# Altium PCB F407.PcbDoc (part 1 of 3) (continued)
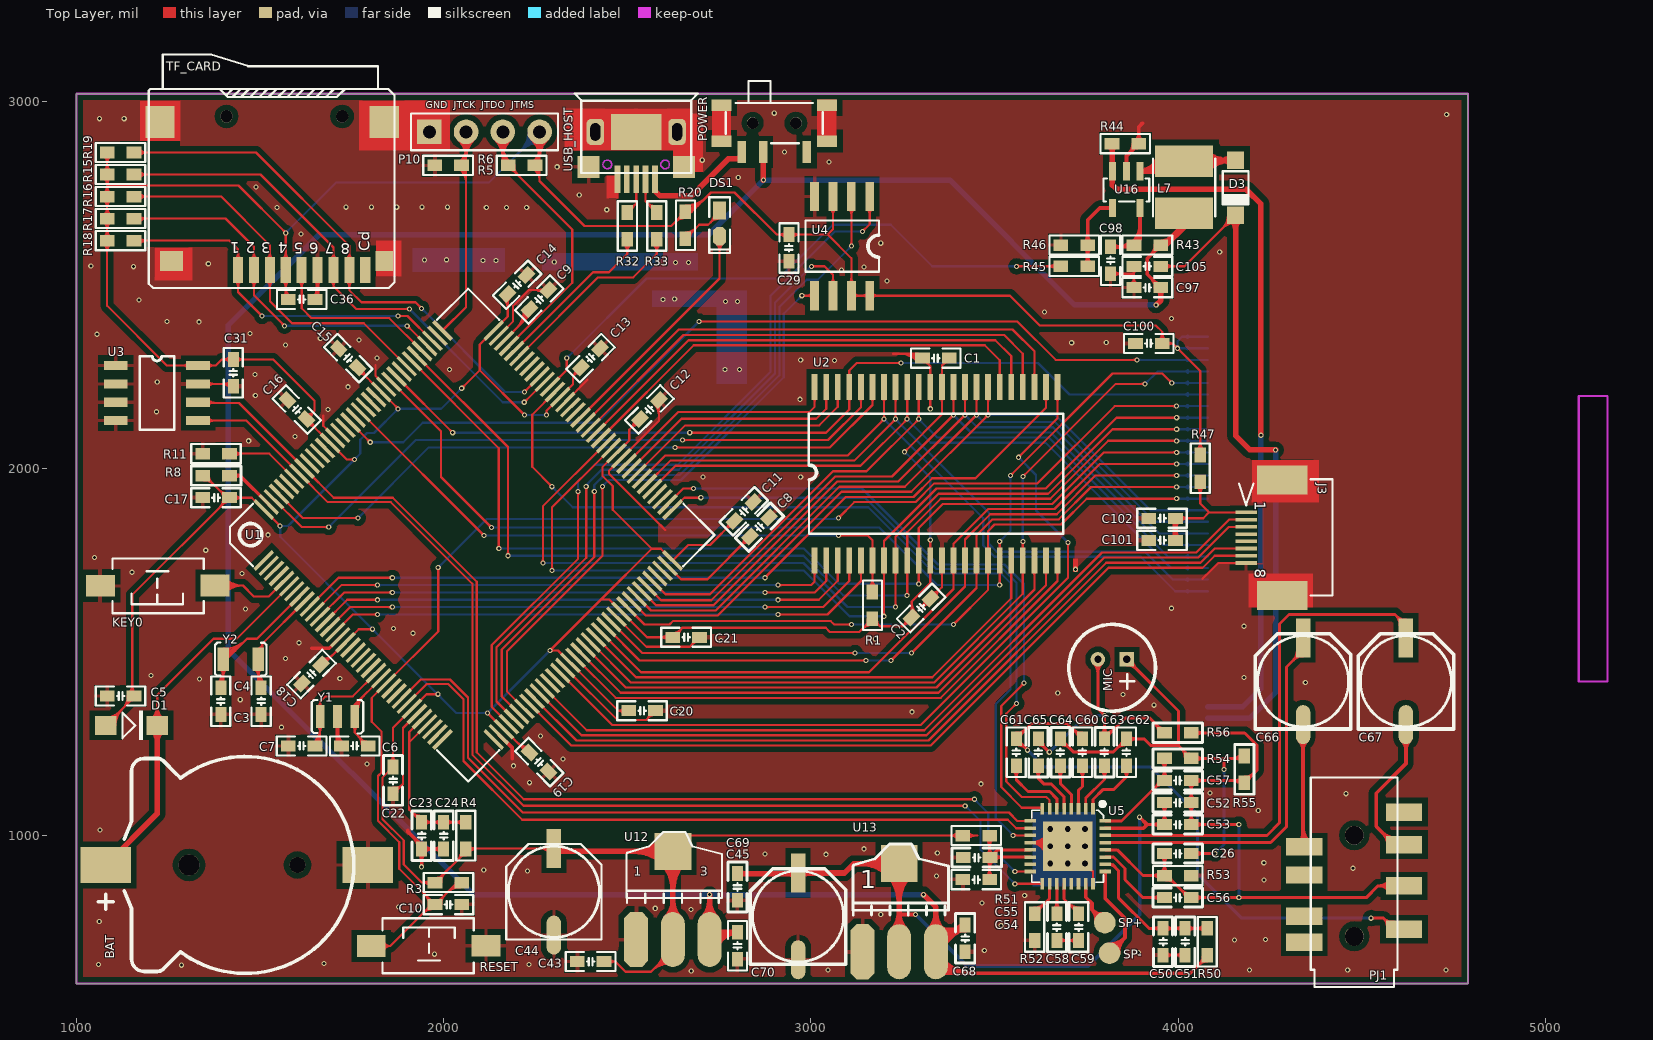
[diagram p0: Top Layer view]
## Nets (pads, with @x,y where several pads share a name; then routed paths per layer and width w, separated by ;. In a path a pad name is that pad's centre, name@x,y a point inside that pad or via, vN(x,y) a via of type N, cw(c..) or ccw(c..) an arc to the next point about the centre after c; other vN are vias at no path point) (continued)
  Bottom Layer w8: v1@4162.88,833.12 ccw(c4157.76,838.24) 4165,838.24 ccw(c4172.24,838.24) v1@4167.12,833.12 ; v1@4162.88,1027.88 cw(c4157.76,1022.76) 4165,1022.76 cw(c4172.24,1022.76) v1@4167.12,1027.88 ; v1(4165,831) v1(4165,1030)
EJ_L: C66.2 PJ1.2 | length 485.5
  Top Layer w10: C66.2@4329.62,1258.04 cw(c4304.55,1232.97) 4340,1232.97 cw(c4375.45,1232.97) C66.2@4350.38,1258.04 ; PJ1.2@4330.18,982.58 ccw(c4306.48,1006.28) 4340,1006.28 ; 4340,998.31 ccw(c4372.25,998.31) PJ1.2@4349.45,975.51 ; 4340,1022.46 ccw(c4396.4,1022.46) PJ1.2@4356.52,982.58 ; C66.2@4340,1301.89 4340,972.76 PJ1.2@4343.35,969.41
EJ_M: C60.2 C61.2 PJ1.1 | length 1896.3
  Top Layer w8: C61.2@3559,1247.5 cw(c3559,1208.87) v1@3586.31,1236.19 ; C61.2@3559,1255.5 cw(c3559,1236.19) C61.2@3572.66,1249.84 ; C61.2@3559,1271.5 ccw(c3559,1290.81) C61.2@3572.66,1277.16 ; C61.2@3559,1279.5 ccw(c3559,1318.13) 3586.31,1290.81 ; C61.2@3570,1258.5 ccw(c3584.49,1258.5) 3574.24,1248.26 ; C61.2@3570,1268.5 cw(c3584.49,1268.5) 3574.24,1278.74 ; v1@3587,1232.5 ccw(c3579.76,1232.5) 3584.88,1237.62 ccw(c3590,1242.74) v1@3590,1235.5 ; v1(3590,1232.5) C61.2@3559,1263.5 3600.5,1305 3697.5,1305 C60.2@3739,1263.5 ; 3711.69,1290.81 ccw(c3739,1318.13) C60.2@3739,1279.5 ; 3723.76,1278.74 cw(c3713.51,1268.5) C60.2@3728,1268.5 ; C60.2@3725.34,1277.16 ccw(c3739,1290.81) C60.2@3739,1271.5 ; v1(4525,775) 4559,775 4589,745 PJ1.1@4615,745 ; v1@4527.12,772.88 cw(c4532.24,767.76) 4532.24,775 cw(c4532.24,782.24) v1@4527.12,777.12 ; PJ1.1@4569.84,746.37 ccw(c4533.33,748.92) 4559.21,774.79 ccw(c4584.33,799.92) PJ1.1@4587.6,764.54 ; PJ1.1@4571.26,762.74 ccw(c4586.37,777.85) PJ1.1@4588.34,756.57 ; PJ1.1@4571.62,762.38 cw(c4556.54,747.3) PJ1.1@4577.82,745.81
  Bottom Layer w8: v1@3590,1229.5 cw(c3590,1222.26) 3595.12,1227.38 cw(c3600.24,1232.5) v1@3593,1232.5 ; v1(3590,1232.5) 3635.5,1187 3924,1187 4052,1059 4052,896 4173,775 v1(4525,775) ; v1@4522.88,772.88 ccw(c4517.76,767.76) 4517.76,775 ccw(c4517.76,782.24) v1@4522.88,777.12
EJ_R: C67.2 PJ1.3 | length 533.3
  Top Layer w10: 4556.39,1007.61 ccw(c4589.41,1040.63) PJ1.3@4589.41,993.93 ; 4558.13,1005.87 cw(c4527.57,975.31) PJ1.3@4570.79,975.31 ; C67.2@4609.62,1258.04 cw(c4584.55,1232.97) 4620,1232.97 cw(c4655.45,1232.97) C67.2@4630.38,1258.04 ; PJ1.3@4615,975.31 4588.69,975.31 4539,1025 4539,1115 4620,1196 C67.2@4620,1301.89
F_CS: U1.40 U4.1 | length 2153.4
  Top Layer w6: U1.40@2177.86,1303.35 2131,1350.21 2131,1519 2366,1754 v1(2366,1937) ; v1@2363.17,1934.17 cw(c2356.34,1927.34) 2366,1927.34 cw(c2375.66,1927.34) v1@2368.83,1934.17 ; v1(3140,2645) 3160,2665 U4.1@3160,2740 ; v1@3140,2649 ccw(c3140,2658.66) 3146.83,2651.83 ccw(c3153.66,2645) v1@3144,2645 ; U4.1@3153.64,2705.64 cw(c3138.27,2690.27) 3160,2690.27 cw(c3181.73,2690.27) U4.1@3166.36,2705.64
  Bottom Layer w6: v1@2363.17,1939.83 ccw(c2356.34,1946.66) 2366,1946.66 ccw(c2375.66,1946.66) v1@2368.83,1939.83 ; v1(2366,1937) 2366,1965 2411,2010 2637,2010 2890,2263 2890,2470 3065,2645 v1(3140,2645) ; v1@3137.17,2642.17 ccw(c3130.34,2635.34) 3130.34,2645 ccw(c3130.34,2654.66) v1@3137.17,2647.83
FSMC_A0: U1.10 U2.24 | length 2364.8
  Top Layer w6: U1.10@1635.01,1623.49 1713.52,1702 v1(1860,1702) ; v1@1857.17,1699.17 ccw(c1850.34,1692.34) 1850.34,1702 ccw(c1850.34,1711.66) v1@1857.17,1704.83 ; v1(2875,1702) 2875,1702.46 3094.54,1922 3279.01,1922 3330.01,1973 3448,1973 3639.9,2164.9 U2.24@3639.9,2221.09 ; v1@2875,1706 ccw(c2875,1714.56) 2881.05,1708.51 ; v1@2879,1702 cw(c2889.76,1702) 2882.15,1709.61 ; U2.24@3636.45,2190.08 cw(c3628.13,2181.76) 3639.9,2181.76 cw(c3651.66,2181.76) U2.24@3643.34,2190.08
  Bottom Layer w6: v1(1860,1702) v1(2875,1702) ; v1@1862.83,1699.17 cw(c1869.66,1692.34) 1869.66,1702 cw(c1869.66,1711.66) v1@1862.83,1704.83 ; v1@2872.17,1699.17 ccw(c2865.34,1692.34) 2865.34,1702 ccw(c2865.34,1711.66) v1@2872.17,1704.83
FSMC_A1: U1.11 U2.1 | length 1531
  Top Layer w6: U1.11@1648.93,1609.57 1721.35,1682 v1(1820,1682) ; v1@1817.17,1679.17 ccw(c1810.34,1672.34) 1810.34,1682 ccw(c1810.34,1691.66) v1@1817.17,1684.83 ; v1(2910,1682) 3000,1682 3009.98,1691.98 U2.1@3009.98,1748.65 ; v1@2912.83,1679.17 cw(c2919.66,1672.34) 2919.66,1682 cw(c2919.66,1691.66) v1@2912.83,1684.83 ; U2.1@3006.53,1717.64 cw(c2998.21,1709.32) 3009.98,1709.32 cw(c3021.74,1709.32) U2.1@3013.42,1717.64
  Bottom Layer w6: v1(1820,1682) v1(2910,1682) ; v1@1822.83,1679.17 cw(c1829.66,1672.34) 1829.66,1682 cw(c1829.66,1691.66) v1@1822.83,1684.83 ; v1@2907.17,1679.17 ccw(c2900.34,1672.34) 2900.34,1682 ccw(c2900.34,1691.66) v1@2907.17,1684.83
FSMC_A2: U1.12 U2.2 | length 1553.5
  Top Layer w6: U1.12@1662.85,1595.65 1729.19,1662 v1(1860,1662) ; v1@1857.17,1659.17 ccw(c1850.34,1652.34) 1850.34,1662 ccw(c1850.34,1671.66) v1@1857.17,1664.83 ; v1(2875,1662) 3010,1662 3041.47,1693.47 U2.2@3041.47,1748.65 ; v1@2877.83,1659.17 cw(c2884.66,1652.34) 2884.66,1662 cw(c2884.66,1671.66) v1@2877.83,1664.83 ; U2.2@3038.03,1717.64 cw(c3029.71,1709.32) 3041.47,1709.32 cw(c3053.24,1709.32) U2.2@3044.92,1717.64
  Bottom Layer w6: v1(1860,1662) v1(2875,1662) ; v1@1862.83,1659.17 cw(c1869.66,1652.34) 1869.66,1662 cw(c1869.66,1671.66) v1@1862.83,1664.83 ; v1@2872.17,1659.17 ccw(c2865.34,1652.34) 2865.34,1662 ccw(c2865.34,1671.66) v1@2872.17,1664.83
FSMC_A3: U1.13 U2.3 | length 1576.5
  Top Layer w6: U1.13@1676.77,1581.73 1737.03,1642 v1(1820,1642) ; v1@1817.17,1639.17 ccw(c1810.34,1632.34) 1810.34,1642 ccw(c1810.34,1651.66) v1@1817.17,1644.83 ; v1(2910,1642) 3021,1642 3072.97,1693.97 U2.3@3072.97,1748.65 ; v1@2912.83,1639.17 cw(c2919.66,1632.34) 2919.66,1642 cw(c2919.66,1651.66) v1@2912.83,1644.83 ; U2.3@3069.52,1717.64 cw(c3061.2,1709.32) 3072.97,1709.32 cw(c3084.73,1709.32) U2.3@3076.41,1717.64
  Bottom Layer w6: v1(1820,1642) v1(2910,1642) ; v1@1822.83,1639.17 cw(c1829.66,1632.34) 1829.66,1642 cw(c1829.66,1651.66) v1@1822.83,1644.83 ; v1@2907.17,1639.17 ccw(c2900.34,1632.34) 2900.34,1642 ccw(c2900.34,1651.66) v1@2907.17,1644.83
FSMC_A4: U1.14 U2.4 | length 1600.2
  Top Layer w6: U1.14@1690.69,1567.81 1744.87,1622 v1(1860,1622) ; v1@1857.17,1619.17 ccw(c1850.34,1612.34) 1850.34,1622 ccw(c1850.34,1631.66) v1@1857.17,1624.83 ; v1(2875,1622) 3033,1622 3104.46,1693.46 U2.4@3104.46,1748.65 ; v1@2877.83,1619.17 cw(c2884.66,1612.34) 2884.66,1622 cw(c2884.66,1631.66) v1@2877.83,1624.83 ; U2.4@3101.02,1717.64 cw(c3092.7,1709.32) 3104.46,1709.32 cw(c3116.23,1709.32) U2.4@3107.91,1717.64
  Bottom Layer w6: v1(1860,1622) v1(2875,1622) ; v1@1862.83,1619.17 cw(c1869.66,1612.34) 1869.66,1622 cw(c1869.66,1631.66) v1@1862.83,1624.83 ; v1@2872.17,1619.17 ccw(c2865.34,1612.34) 2865.34,1622 ccw(c2865.34,1631.66) v1@2872.17,1624.83
FSMC_A5: U1.15 U2.5 | length 1623.8
  Top Layer w6: U1.15@1704.6,1553.9 1752.71,1602 v1(1820,1602) ; v1@1817.17,1599.17 ccw(c1810.34,1592.34) 1810.34,1602 ccw(c1810.34,1611.66) v1@1817.17,1604.83 ; v1(2910,1602) 3045,1602 3135.96,1692.96 U2.5@3135.96,1748.65 ; v1@2912.83,1599.17 cw(c2919.66,1592.34) 2919.66,1602 cw(c2919.66,1611.66) v1@2912.83,1604.83 ; U2.5@3132.51,1717.64 cw(c3124.19,1709.32) 3135.96,1709.32 cw(c3147.73,1709.32) U2.5@3139.41,1717.64
  Bottom Layer w6: v1(1820,1602) v1(2910,1602) ; v1@1822.83,1599.17 cw(c1829.66,1592.34) 1829.66,1602 cw(c1829.66,1611.66) v1@1822.83,1604.83 ; v1@2907.17,1599.17 ccw(c2900.34,1592.34) 2900.34,1602 ccw(c2900.34,1611.66) v1@2907.17,1604.83
FSMC_A6: U1.50 U2.23 | length 2305.9
  Top Layer w6: U1.50@2317.06,1442.54 2458.6,1301 3299,1301 3700,1702 v1(3700,1798) ; v1(3565,2030) 3671.39,2136.39 U2.23@3671.39,2221.09 ; v1@3565,2034 ccw(c3565,2043.66) 3571.83,2036.83 ccw(c3578.66,2030) v1@3569,2030 ; U2.23@3667.95,2190.08 cw(c3659.63,2181.76) 3671.39,2181.76 cw(c3683.16,2181.76) U2.23@3674.84,2190.08 ; v1@3697.17,1795.17 cw(c3690.34,1788.34) 3700,1788.34 cw(c3709.66,1788.34) v1@3702.83,1795.17
  Bottom Layer w6: v1@3565,2026 cw(c3565,2016.34) 3571.83,2023.17 cw(c3578.66,2030) v1@3569,2030 ; v1(3565,2030) 3613,1982 3613,1885 v1(3700,1798) ; v1@3696,1798 ccw(c3686.34,1798) 3693.17,1804.83 ccw(c3700,1811.66) v1@3700,1802
FSMC_A7: U1.53 U2.22 | length 1563.6
  Top Layer w6: U1.53@2358.82,1484.3 2468.11,1375 3353.2,1375 3671.39,1693.19 U2.22@3671.39,1748.65 ; U2.22@3667.95,1717.64 cw(c3659.63,1709.32) 3671.39,1709.32 cw(c3683.16,1709.32) U2.22@3674.84,1717.64
FSMC_A8: U1.54 U2.21 | length 1519.2
  Top Layer w6: U1.54@2372.74,1498.22 2481.95,1389 3347.4,1389 3639.9,1681.5 U2.21@3639.9,1748.65 ; U2.21@3636.45,1717.64 cw(c3628.13,1709.32) 3639.9,1709.32 cw(c3651.66,1709.32) U2.21@3643.34,1717.64
FSMC_A9: U1.55 U2.20 | length 1474.8
  Top Layer w6: U1.55@2386.65,1512.14 2495.79,1403 3341.6,1403 3608.4,1669.8 U2.20@3608.4,1748.65 ; U2.20@3604.96,1717.64 cw(c3596.64,1709.32) 3608.4,1709.32 cw(c3620.17,1709.32) U2.20@3611.85,1717.64
FSMC_A10: TFT1.5 U1.56 U2.19 | length 2409.6
  Top Layer w6: U1.56@2400.57,1526.06 2509.63,1417 3335.8,1417 3576.91,1658.1 U2.19@3576.91,1748.65 v1(3576.91,1800.91) ; U2.19@3573.46,1717.64 cw(c3565.14,1709.32) 3576.91,1709.32 cw(c3588.67,1709.32) U2.19@3580.35,1717.64 ; U2.19@3573.46,1779.65 ccw(c3565.14,1787.97) 3576.91,1787.97 ccw(c3588.67,1787.97) U2.19@3580.35,1779.65 ; v1@3574.08,1798.08 cw(c3567.25,1791.25) 3576.91,1791.25 cw(c3586.56,1791.25) v1@3579.73,1798.08 ; v1(3576.91,1977.34) 3829.56,2230 v1(3910,2230) ; v1@3576.91,1981.34 ccw(c3576.91,1991) 3583.73,1984.17 ccw(c3590.56,1977.34) v1@3580.91,1977.34 ; v1@3907.17,2227.17 ccw(c3900.34,2220.34) 3900.34,2230 ccw(c3900.34,2239.66) v1@3907.17,2232.83
  Bottom Layer w6: v1@3574.08,1803.73 ccw(c3567.25,1810.56) 3576.91,1810.56 ccw(c3586.56,1810.56) v1@3579.73,1803.73 ; v1@3574.08,1974.51 cw(c3567.25,1967.69) 3576.91,1967.69 cw(c3586.56,1967.69) v1@3579.73,1974.51 ; v1(3576.91,1800.91) v1(3576.91,1977.34) ; v1(3910,2230) 3943.87,2263.87 TFT1.5@4080.79,2263.87 ; v1@3910,2234 ccw(c3910,2243.66) 3916.83,2236.83 ccw(c3923.66,2230) v1@3914,2230 ; TFT1.5@4026.16,2260.42 ccw(c4017.84,2252.1) 4017.84,2263.87 ccw(c4017.84,2275.63) TFT1.5@4026.16,2267.31
FSMC_A11: U1.57 U2.18 | length 1386
  Top Layer w6: U1.57@2414.49,1539.98 2523.47,1431 3330.01,1431 3545.41,1646.4 U2.18@3545.41,1748.65 ; U2.18@3541.96,1717.64 cw(c3533.64,1709.32) 3545.41,1709.32 cw(c3557.18,1709.32) U2.18@3548.86,1717.64
FSMC_A12: U1.87 U2.28 | length 1298.4
  Top Layer w6: U1.87@2428.41,2082.83 2680.58,2335 3473,2335 3513.91,2294.09 U2.28@3513.91,2221.09 ; U2.28@3510.47,2252.09 ccw(c3502.15,2260.41) 3513.91,2260.41 ccw(c3525.68,2260.41) U2.28@3517.36,2252.09
FSMC_A13: U1.88 U2.27 | length 1356.4
  Top Layer w6: U1.88@2414.49,2096.75 2666.74,2349 3502,2349 3545.41,2305.59 U2.27@3545.41,2221.09 ; U2.27@3541.96,2252.09 ccw(c3533.64,2260.41) 3545.41,2260.41 ccw(c3557.18,2260.41) U2.27@3548.86,2252.09
FSMC_A14: U1.89 U2.26 | length 1411.4
  Top Layer w6: U1.89@2400.58,2110.67 2652.9,2363 3526,2363 3576.91,2312.09 U2.26@3576.91,2221.09 ; U2.26@3573.46,2252.09 ccw(c3565.14,2260.41) 3576.91,2260.41 ccw(c3588.67,2260.41) U2.26@3580.35,2252.09
FSMC_A15: U1.90 U2.25 | length 1467.3
  Top Layer w6: U1.90@2386.66,2124.59 2640.06,2378 3549,2378 3608.4,2318.6 U2.25@3608.4,2221.09 ; U2.25@3604.96,2252.09 ccw(c3596.64,2260.41) 3608.4,2260.41 ccw(c3620.17,2260.41) U2.25@3611.85,2252.09
FSMC_A16: U1.80 U2.42 | length 694.7
  Top Layer w6: U1.80@2525.85,1985.4 2657.45,2117 3022.54,2117 3072.97,2167.42 U2.42@3072.97,2221.09 ; U2.42@3069.52,2190.08 cw(c3061.2,2181.76) 3072.97,2181.76 cw(c3084.73,2181.76) U2.42@3076.41,2190.08
FSMC_A17: U1.81 U2.43 | length 674.2
  Top Layer w6: U1.81@2511.93,1999.32 2647.61,2135 3014,2135 3041.47,2162.47 U2.43@3041.47,2221.09 ; U2.43@3038.03,2190.08 cw(c3029.71,2181.76) 3041.47,2181.76 cw(c3053.24,2181.76) U2.43@3044.92,2190.08
FSMC_A18: U1.82 U2.44 | length 647.7
  Top Layer w6: U1.82@2498.01,2013.23 2637.78,2153 2995,2153 3009.98,2167.98 U2.44@3009.98,2221.09 ; U2.44@3006.53,2190.08 cw(c2998.21,2181.76) 3009.98,2181.76 cw(c3021.74,2181.76) U2.44@3013.42,2190.08
FSMC_D0: TFT1.9 U1.85 U2.7 | length 2728.1
  Top Layer w6: v1@2292.17,1724.83 ccw(c2285.34,1731.66) 2295,1731.66 ccw(c2304.66,1731.66) v1@2297.83,1724.83 ; v1(2295,1722) 2295,1893.74 U1.85@2456.25,2054.99 ; U2.7@3195.51,1717.64 cw(c3187.19,1709.32) 3198.95,1709.32 cw(c3210.72,1709.32) U2.7@3202.4,1717.64 ; U2.7@3195.51,1779.65 ccw(c3187.19,1787.97) 3198.95,1787.97 ccw(c3210.72,1787.97) U2.7@3202.4,1779.65 ; v1@3196.12,1599.88 ccw(c3189.3,1606.7) 3198.95,1606.7 ccw(c3208.61,1606.7) v1@3201.78,1599.88 ; v1(3198.95,1597.05) U2.7@3198.95,1748.65 3198.95,1802.35 3341.6,1945 3639,1945 3831.88,2137.88 v1(3995.9,2137.88) ; v1@3993.07,2135.05 ccw(c3986.24,2128.23) 3986.24,2137.88 ccw(c3986.24,2147.54) v1@3993.07,2140.71
  Bottom Layer w6: v1(2295,1722) 2980,1722 3104.95,1597.05 v1(3198.95,1597.05) ; v1@2297.83,1719.17 cw(c2304.66,1712.34) 2304.66,1722 cw(c2304.66,1731.66) v1@2297.83,1724.83 ; v1@3196.12,1594.22 ccw(c3189.3,1587.39) 3189.3,1597.05 ccw(c3189.3,1606.7) v1@3196.12,1599.88 ; v1(3995.9,2137.88) TFT1.9@4080.79,2137.88 ; v1@3998.73,2135.05 cw(c4005.55,2128.23) 4005.55,2137.88 cw(c4005.55,2147.54) v1@3998.73,2140.71 ; TFT1.9@4026.16,2134.44 ccw(c4017.84,2126.11) 4017.84,2137.88 ccw(c4017.84,2149.65) TFT1.9@4026.16,2141.33
FSMC_D1: TFT1.10 U1.86 U2.8 | length 2717.8
  Top Layer w6: v1@2267.17,1744.83 ccw(c2260.34,1751.66) 2270,1751.66 ccw(c2279.66,1751.66) v1@2272.83,1744.83 ; v1(2270,1742) 2270,1896.58 U1.86@2442.33,2068.91 ; U2.8@3227,1717.64 cw(c3218.68,1709.32) 3230.45,1709.32 cw(c3242.22,1709.32) U2.8@3233.9,1717.64 ; U2.8@3227,1779.65 ccw(c3218.68,1787.97) 3230.45,1787.97 ccw(c3242.22,1787.97) U2.8@3233.9,1779.65 ; v1@3227.62,1625.28 ccw(c3220.79,1632.11) 3230.45,1632.11 ccw(c3240.11,1632.11) v1@3233.28,1625.28 ; v1(3230.45,1622.45) U2.8@3230.45,1748.65 3230.45,1814.05 3347.4,1931 3645.8,1931 3821.18,2106.39 v1(3995.9,2106.39) ; v1@3993.07,2103.56 ccw(c3986.24,2096.73) 3986.24,2106.39 ccw(c3986.24,2116.04) v1@3993.07,2109.21
  Bottom Layer w6: v1(2270,1742) 2979.8,1742 3099.35,1622.45 v1(3230.45,1622.45) ; v1@2272.83,1739.17 cw(c2279.66,1732.34) 2279.66,1742 cw(c2279.66,1751.66) v1@2272.83,1744.83 ; v1@3227.62,1619.62 ccw(c3220.79,1612.79) 3220.79,1622.45 ccw(c3220.79,1632.11) v1@3227.62,1625.28 ; v1(3995.9,2106.39) TFT1.10@4080.79,2106.39 ; v1@3998.73,2103.56 cw(c4005.55,2096.73) 4005.55,2106.39 cw(c4005.55,2116.04) v1@3998.73,2109.21 ; TFT1.10@4026.16,2102.94 ccw(c4017.84,2094.62) 4017.84,2106.39 ccw(c4017.84,2118.15) TFT1.10@4026.16,2109.83
FSMC_D2: TFT1.11 U1.114 U2.9 | length 3018
  Top Layer w6: U1.114@1927.31,2305.54 2175,2057.86 v1(2175,1762) ; v1@2172.17,1764.83 ccw(c2165.34,1771.66) 2175,1771.66 ccw(c2184.66,1771.66) v1@2177.83,1764.83 ; U2.9@3258.5,1717.64 cw(c3250.18,1709.32) 3261.95,1709.32 cw(c3273.71,1709.32) U2.9@3265.39,1717.64 ; U2.9@3258.5,1779.65 ccw(c3250.18,1787.97) 3261.95,1787.97 ccw(c3273.71,1787.97) U2.9@3265.39,1779.65 ; v1@3259.12,1656.88 ccw(c3252.29,1663.71) 3261.95,1663.71 ccw(c3271.6,1663.71) v1@3264.77,1656.88 ; v1(3261.95,1654.05) U2.9@3261.95,1748.65 3261.95,1825.74 3353.2,1917 3651.6,1917 3809.49,2074.89 v1(3995.9,2074.89) ; v1@3993.07,2072.06 ccw(c3986.24,2065.23) 3986.24,2074.89 ccw(c3986.24,2084.55) v1@3993.07,2077.72
  Bottom Layer w6: v1(2175,1762) 2979.6,1762 3087.54,1654.05 v1(3261.95,1654.05) ; v1@2177.83,1759.17 cw(c2184.66,1752.34) 2184.66,1762 cw(c2184.66,1771.66) v1@2177.83,1764.83 ; v1@3259.12,1651.23 ccw(c3252.29,1644.4) 3252.29,1654.05 ccw(c3252.29,1663.71) v1@3259.12,1656.88 ; v1(3995.9,2074.89) TFT1.11@4080.79,2074.89 ; v1@3998.73,2072.06 cw(c4005.55,2065.23) 4005.55,2074.89 cw(c4005.55,2084.55) v1@3998.73,2077.72 ; TFT1.11@4026.16,2071.44 ccw(c4017.84,2063.12) 4017.84,2074.89 ccw(c4017.84,2086.66) TFT1.11@4026.16,2078.34
FSMC_D3: TFT1.12 U1.115 U2.10 | length 2962.2
  Top Layer w6: U1.115@1913.4,2291.62 2150,2055.02 v1(2150,1782) ; v1@2147.17,1784.83 ccw(c2140.34,1791.66) 2150,1791.66 ccw(c2159.66,1791.66) v1@2152.83,1784.83 ; U2.10@3290,1717.64 cw(c3281.68,1709.32) 3293.44,1709.32 cw(c3305.21,1709.32) U2.10@3296.89,1717.64 ; U2.10@3290,1779.65 ccw(c3281.68,1787.97) 3293.44,1787.97 ccw(c3305.21,1787.97) U2.10@3296.89,1779.65 ; v1@3290.61,1688.27 ccw(c3283.79,1695.1) 3293.44,1695.1 ccw(c3303.1,1695.1) v1@3296.27,1688.27 ; v1(3293.44,1685.44) U2.10@3293.44,1748.65 3293.44,1837.44 3359,1903 3657.39,1903 3797.79,2043.39 v1(3995.9,2043.39) ; v1@3993.07,2040.57 ccw(c3986.24,2033.74) 3986.24,2043.39 ccw(c3986.24,2053.05) v1@3993.07,2046.22
  Bottom Layer w6: v1(2150,1782) 2979.4,1782 3075.95,1685.44 v1(3293.44,1685.44) ; v1@2152.83,1779.17 cw(c2159.66,1772.34) 2159.66,1782 cw(c2159.66,1791.66) v1@2152.83,1784.83 ; v1@3290.61,1682.61 ccw(c3283.79,1675.79) 3283.79,1685.44 ccw(c3283.79,1695.1) v1@3290.61,1688.27 ; v1(3995.9,2043.39) TFT1.12@4080.79,2043.39 ; v1@3998.73,2040.57 cw(c4005.55,2033.74) 4005.55,2043.39 cw(c4005.55,2053.05) v1@3998.73,2046.22 ; TFT1.12@4026.16,2039.95 ccw(c4017.84,2031.63) 4017.84,2043.39 ccw(c4017.84,2055.16) TFT1.12@4026.16,2046.84
FSMC_D4: TFT1.13 U1.58 U2.13 | length 2090.2
  Top Layer w6: U1.58@2428.41,1553.9 2537.31,1445 3158,1445 3271.44,1558.44 3275.21,1558.44 3387.93,1671.16 U2.13@3387.93,1748.65 3387.93,1794.33 3482.6,1889 3663.19,1889 3786.09,2011.9 v1(3995.9,2011.9) ; U2.13@3384.48,1717.64 cw(c3376.16,1709.32) 3387.93,1709.32 cw(c3399.7,1709.32) U2.13@3391.38,1717.64 ; U2.13@3384.48,1779.65 ccw(c3376.16,1787.97) 3387.93,1787.97 ccw(c3399.7,1787.97) U2.13@3391.38,1779.65 ; v1@3993.07,2009.07 ccw(c3986.24,2002.24) 3986.24,2011.9 ccw(c3986.24,2021.55) v1@3993.07,2014.73
  Bottom Layer w6: v1(3995.9,2011.9) TFT1.13@4080.79,2011.9 ; v1@3998.73,2009.07 cw(c4005.55,2002.24) 4005.55,2011.9 cw(c4005.55,2021.55) v1@3998.73,2014.73 ; TFT1.13@4026.16,2008.45 ccw(c4017.84,2000.13) 4017.84,2011.9 ccw(c4017.84,2023.66) TFT1.13@4026.16,2015.34
FSMC_D5: TFT1.14 U1.59 U2.14 | length 2105.8
  Top Layer w6: U1.59@2442.33,1567.81 2533.15,1477 v1(3150,1477) ; v1@3147.17,1474.17 ccw(c3140.34,1467.34) 3140.34,1477 ccw(c3140.34,1486.66) v1@3147.17,1479.83 ; v1(3218,1477) 3419.43,1678.43 U2.14@3419.43,1748.65 3419.43,1806.02 3488.4,1875 3668.99,1875 3774.39,1980.4 v1(3995.9,1980.4) ; v1@3218,1481 ccw(c3218,1490.66) 3224.83,1483.83 ccw(c3231.66,1477) v1@3222,1477 ; U2.14@3415.98,1717.64 cw(c3407.66,1709.32) 3419.43,1709.32 cw(c3431.19,1709.32) U2.14@3422.87,1717.64 ; U2.14@3415.98,1779.65 ccw(c3407.66,1787.97) 3419.43,1787.97 ccw(c3431.19,1787.97) U2.14@3422.87,1779.65 ; v1@3993.07,1977.57 ccw(c3986.24,1970.74) 3986.24,1980.4 ccw(c3986.24,1990.06) v1@3993.07,1983.23
  Bottom Layer w6: v1(3150,1477) v1(3218,1477) ; v1@3152.83,1474.17 cw(c3159.66,1467.34) 3159.66,1477 cw(c3159.66,1486.66) v1@3152.83,1479.83 ; v1@3215.17,1474.17 ccw(c3208.34,1467.34) 3208.34,1477 ccw(c3208.34,1486.66) v1@3215.17,1479.83 ; v1(3995.9,1980.4) TFT1.14@4080.79,1980.4 ; v1@3998.73,1977.57 cw(c4005.55,1970.74) 4005.55,1980.4 cw(c4005.55,1990.06) v1@3998.73,1983.23 ; TFT1.14@4026.16,1976.96 ccw(c4017.84,1968.63) 4017.84,1980.4 ccw(c4017.84,1992.17) TFT1.14@4026.16,1983.85
FSMC_D6: TFT1.15 U1.60 U2.15 | length 2077.5
  Top Layer w6: U1.60@2456.25,1581.73 2540.99,1497 v1(3120,1497) ; v1@3117.17,1494.17 ccw(c3110.34,1487.34) 3110.34,1497 ccw(c3110.34,1506.66) v1@3117.17,1499.83 ; v1(3274,1497) 3450.92,1673.92 U2.15@3450.92,1748.65 3450.92,1817.72 3494.2,1861 3674.79,1861 3762.7,1948.91 v1(3995.9,1948.91) ; v1@3274,1501 ccw(c3274,1510.66) 3280.83,1503.83 ccw(c3287.66,1497) v1@3278,1497 ; U2.15@3447.48,1717.64 cw(c3439.16,1709.32) 3450.92,1709.32 cw(c3462.69,1709.32) U2.15@3454.37,1717.64 ; U2.15@3447.48,1779.65 ccw(c3439.16,1787.97) 3450.92,1787.97 ccw(c3462.69,1787.97) U2.15@3454.37,1779.65 ; v1@3993.07,1946.08 ccw(c3986.24,1939.25) 3986.24,1948.91 ccw(c3986.24,1958.56) v1@3993.07,1951.73
  Bottom Layer w6: v1(3120,1497) v1(3274,1497) ; v1@3122.83,1494.17 cw(c3129.66,1487.34) 3129.66,1497 cw(c3129.66,1506.66) v1@3122.83,1499.83 ; v1@3271.17,1494.17 ccw(c3264.34,1487.34) 3264.34,1497 ccw(c3264.34,1506.66) v1@3271.17,1499.83 ; v1(3995.9,1948.91) TFT1.15@4080.79,1948.91 ; v1@3998.73,1946.08 cw(c4005.55,1939.25) 4005.55,1948.91 cw(c4005.55,1958.56) v1@3998.73,1951.73 ; TFT1.15@4026.16,1945.46 ccw(c4017.84,1937.14) 4017.84,1948.91 ccw(c4017.84,1960.67) TFT1.15@4026.16,1952.35
FSMC_D7: TFT1.16 U1.63 U2.16 | length 1992.3
  Top Layer w6: U1.63@2498.01,1623.49 2546.5,1575 2615,1575 2624,1584 3054,1584 3063,1575 v1(3110,1575) ; v1@3107.17,1572.17 ccw(c3100.34,1565.34) 3100.34,1575 ccw(c3100.34,1584.66) v1@3107.17,1577.83 ; v1(3388,1575) 3482.42,1669.42 U2.16@3482.42,1748.65 3482.42,1829.42 3500,1847 3680.59,1847 3751,1917.41 v1(3995.9,1917.41) ; v1@3388,1579 ccw(c3388,1588.66) 3394.83,1581.83 ccw(c3401.66,1575) v1@3392,1575 ; U2.16@3478.97,1717.64 cw(c3470.65,1709.32) 3482.42,1709.32 cw(c3494.18,1709.32) U2.16@3485.86,1717.64 ; U2.16@3478.97,1779.65 ccw(c3470.65,1787.97) 3482.42,1787.97 ccw(c3494.18,1787.97) U2.16@3485.86,1779.65 ; v1@3993.07,1914.58 ccw(c3986.24,1907.75) 3986.24,1917.41 ccw(c3986.24,1927.07) v1@3993.07,1920.24
  Bottom Layer w6: v1(3110,1575) v1(3388,1575) ; v1@3112.83,1572.17 cw(c3119.66,1565.34) 3119.66,1575 cw(c3119.66,1584.66) v1@3112.83,1577.83 ; v1@3385.17,1572.17 ccw(c3378.34,1565.34) 3378.34,1575 ccw(c3378.34,1584.66) v1@3385.17,1577.83 ; v1(3995.9,1917.41) TFT1.16@4080.79,1917.41 ; v1@3998.73,1914.58 cw(c4005.55,1907.75) 4005.55,1917.41 cw(c4005.55,1927.07) v1@3998.73,1920.24 ; TFT1.16@4026.16,1913.96 ccw(c4017.84,1905.64) 4017.84,1917.41 ccw(c4017.84,1929.18) TFT1.16@4026.16,1920.86
FSMC_D8: TFT1.17 U1.64 U2.29 | length 2076.7
  Top Layer w6: U1.64@2511.93,1637.41 2550.34,1599 2746.2,1599 3083.2,1936 3273,1936 v1(3482.42,2145.42) U2.29@3482.42,2221.09 ; v1@3478.42,2145.42 cw(c3468.76,2145.42) 3475.59,2138.59 cw(c3482.42,2131.76) v1@3482.42,2141.42 ; U2.29@3478.97,2190.08 cw(c3470.65,2181.76) 3482.42,2181.76 cw(c3494.18,2181.76) U2.29@3485.86,2190.08 ; v1@3479.59,2148.25 ccw(c3472.76,2155.07) 3482.42,2155.07 ccw(c3492.07,2155.07) v1@3485.25,2148.25
  Bottom Layer w6: v1(3482.42,2145.42) 3664.99,2145.42 3924.5,1885.91 TFT1.17@4080.79,1885.91 ; v1@3485.25,2142.59 cw(c3492.07,2135.76) 3492.07,2145.42 cw(c3492.07,2155.07) v1@3485.25,2148.25 ; TFT1.17@4026.16,1882.47 ccw(c4017.84,1874.15) 4017.84,1885.91 ccw(c4017.84,1897.68) TFT1.17@4026.16,1889.36
FSMC_D9: TFT1.18 U1.65 U2.30 | length 2070
  Top Layer w6: U1.65@2525.85,1651.33 2564.18,1613 2740.4,1613 3077.4,1950 3255.5,1950 v1(3450.92,2145.42) U2.30@3450.92,2221.09 ; v1@3446.92,2145.42 cw(c3437.27,2145.42) 3444.09,2138.59 cw(c3450.92,2131.76) v1@3450.92,2141.42 ; U2.30@3447.48,2190.08 cw(c3439.16,2181.76) 3450.92,2181.76 cw(c3462.69,2181.76) U2.30@3454.37,2190.08 ; v1@3448.09,2148.25 ccw(c3441.27,2155.07) 3450.92,2155.07 ccw(c3460.58,2155.07) v1@3453.75,2148.25
  Bottom Layer w6: v1@3450.92,2141.42 cw(c3450.92,2131.76) 3457.75,2138.59 cw(c3464.58,2145.42) v1@3454.92,2145.42 ; v1(3450.92,2145.42) 3470.56,2125.78 3664.83,2125.78 3936.19,1854.42 TFT1.18@4080.79,1854.42 ; TFT1.18@4026.16,1850.97 ccw(c4017.84,1842.65) 4017.84,1854.42 ccw(c4017.84,1866.18) TFT1.18@4026.16,1857.86